# Altium PCB 调偏电路.PcbDoc
Units mil, origin at the board's own origin, x right, y up, seen from the top; angles counter-clockwise.
Board outline 1299.21 x 1181.1 mil, 2 copper layers (Top Layer, Bottom Layer); 22 components, 10 nets, 56 pads, 9 vias.
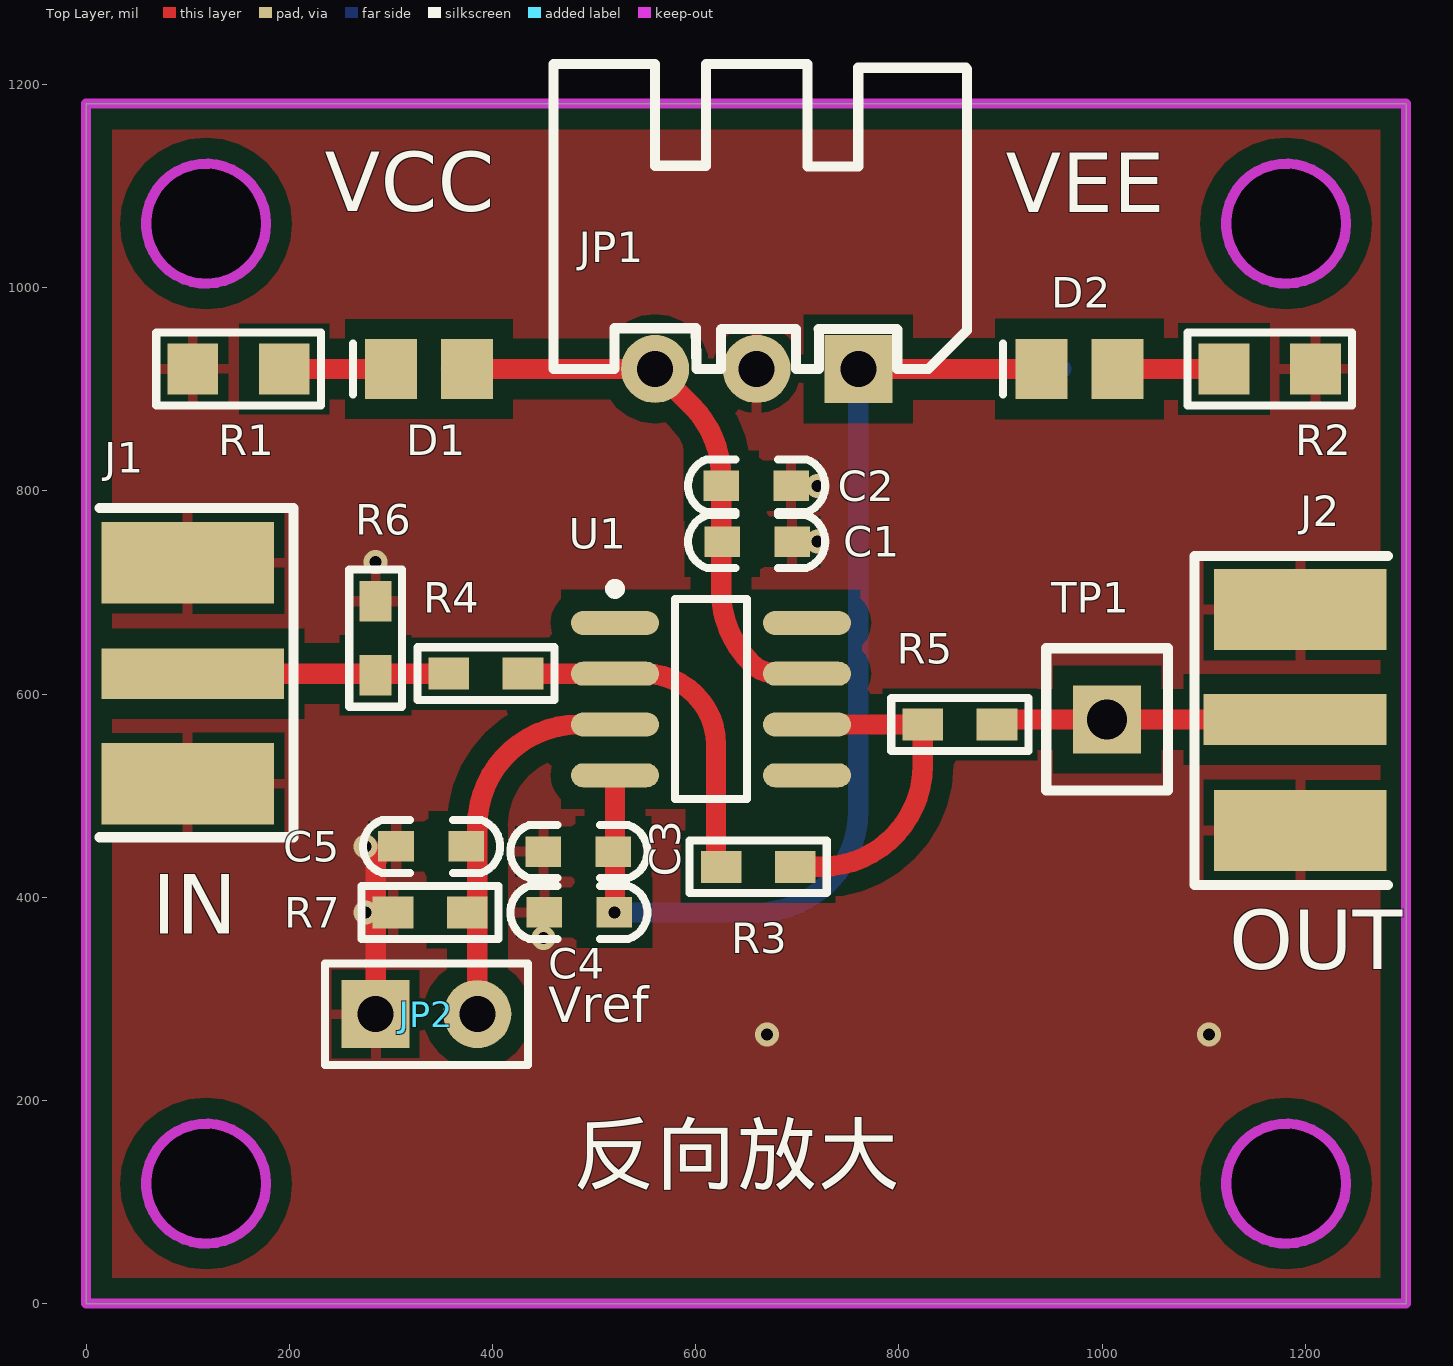
[diagram p0: Top Layer view]
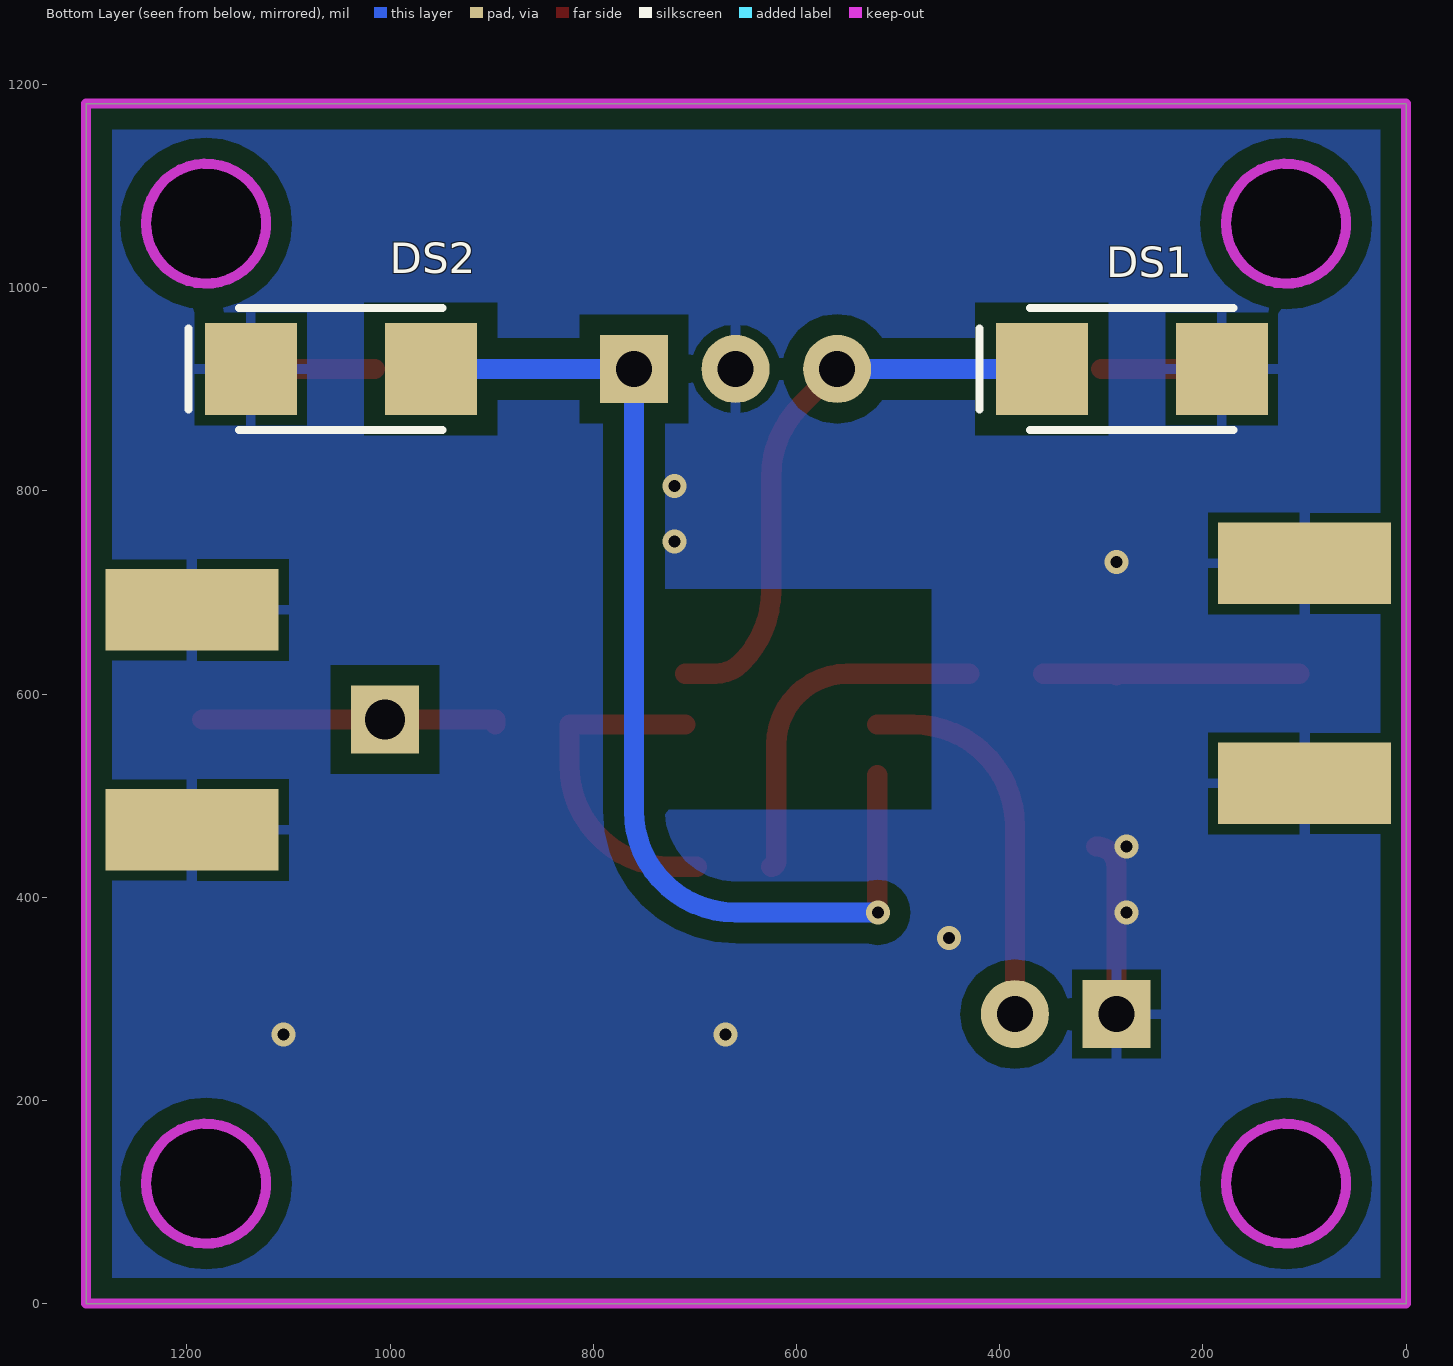
[diagram p1: Bottom Layer view, seen from below]

## Layer stack, top to bottom
Top Solder: solder mask 0.4, Solder Resist, Dk 3.5
Top Layer: signal copper 1.4
Dielectric 1: dielectric 12.6, FR-4, Dk 4.8
Bottom Layer: signal copper 1.4
Bottom Solder: solder mask 0.4, Solder Resist, Dk 3.5

## Board outline
0,0 1299.21,0 1299.21,1181.1 0,1181.1
cut-out: 1122.05,118.11 ccw(c1181.1,118.11) 1181.1,59.06 ccw(c1181.1,118.11) 1240.16,118.11 ccw(c1181.1,118.11) 1181.1,177.17 ccw(c1181.1,118.11)
cut-out: 1122.05,1062.99 ccw(c1181.1,1062.99) 1181.1,1003.94 ccw(c1181.1,1062.99) 1240.16,1062.99 ccw(c1181.1,1062.99) 1181.1,1122.05 ccw(c1181.1,1062.99)
cut-out: 118.11,1003.94 cw(c118.11,1062.99) 59.06,1062.99 cw(c118.11,1062.99) 118.11,1122.05 cw(c118.11,1062.99) 177.17,1062.99 cw(c118.11,1062.99)
cut-out: 118.11,59.06 cw(c118.11,118.11) 59.06,118.11 cw(c118.11,118.11) 118.11,177.17 cw(c118.11,118.11) 177.17,118.11 cw(c118.11,118.11)

## Design rules (kind name [scope] priority, off if disabled: settings)
Clearance [All] p1: gap=10 ignorepadtopadclearanceinfootprint=FALSE except(0: Arc-Hole Track-Hole SMDPad-Hole THPad-Hole Via-Hole Fill-Hole Poly-Hole Region-Hole Text-Hole; 20: Arc-Poly Track-Poly SMDPad-Poly THPad-Poly Via-Poly Fill-Poly Poly-Poly)
MinimumSolderMaskSliver [All] p1: minsoldermaskwidth=0
PlaneConnect [All] p1: planeconnectstyle=Direct reliefexpansion=20 reliefentries=4 reliefconductorwidth=10 reliefairgap=10
PolygonConnect [All] p1: thpad.connectstyle=Relief thpad.reliefconductorwidth=10 thpad.reliefentries=4 thpad.polygonreliefangle="90 Angle" thpad.airgapwidth=10 smdpad.connectstyle=Relief smdpad.reliefconductorwidth=10 smdpad.reliefentries=4 smdpad.polygonreliefangle="90 Angle" smdpad.airgapwidth=10 via.connectstyle=Direct via.reliefconductorwidth=10 via.reliefentries=4 via.polygonreliefangle="90 Angle" via.airgapwidth=10
RoutingVias [All] p1: holewidth=11.81 width=23.62 viastyle="Through Hole" minholewidth=11.81 minwidth=23.62 maxholewidth=28 maxwidth=70
SilkToSilkClearance [All] p1: silktosilkclearance=0
SilkToSolderMaskClearance [IsPad] p1: minsilkscreentomaskgap=0 clearancetoexposedcopper=TRUE
SolderMaskExpansion [All] p1: expansion=4
Width [All] p1: maxlimit=100 minlimit=1 preferedwidth=10
26 further rules are at their usual default settings.

## Components (designator, comment, footprint, x,y, rotation, side; value= is the part's Value field where it differs from the comment)
C1 "104" "C 0603" 660,750 r180 top
C2 "1uF" "C 0603" 660,805 r0 top
C3 "104" "C 0603" 485,445 r0 top
C4 "1uF" "C 0603" 485,385 r180 top
C5 "104" "C 0603" 340,450 r0 top
D1 "LED" LED_0805 337.6,920 r180 top
D2 "LED" LED_0805 977.6,920 r180 top
DS1 "D Schottky" DIODE-SMA 270,920 r0 bottom
DS2 "D Schottky" DIODE-SMA 1048.58,920 r0 bottom
J1 "COAX" MCX5.08-5-H 105,620 r0 top
J2 "COAX" MCX5.08-5-H 1190,575 r180 top
JP1 "HDR-1X3" XH2.54-3P_H 760,920 r180 top
JP2 "HDR-1X2" HDR-1X2 285,285 r0 top
R1 "1K" "R 0805" 150,920 r180 top
R2 "1K" "R 0805" 1165,920 r180 top
R3 "200" "R 0603" 661.5,430 r0 top
R4 "50" "R 0603" 393.5,620 r0 top
R5 "50" "R 0603" 860,570 r0 top
R6 "50" "R 0603" 285,655 r270 top
R7 "10K" "R 0603" 338.5,385 r0 top
TP1 "TEST TP" "TEST TP1.4_B" 1005,575 r270 top
U1 "OPA690" SOIC8_N 615,595 r0 top

## Footprints (in the part's own frame and the unit in brackets; to place one, negate y for a bottom-side part, rotate by r counter-clockwise, add the part's x,y. Pads: shape width x height; smd on the part's side, far side on the other; paste and mask are expansions set on the pad)
"C 0603" [mil] "无极性贴片电容"
  rect 35x30 smd: 1(-35,0) 2(34,0)
  silkscreen extent -67,-26 67,26, body extent -31,-16 31,16, height 32
DIODE-SMA [mm] "贴片二极管"
  rect 2.3x2.3 smd: 1(-2.25,0) 2(2.25,0)
  silkscreen extent -2.54,-1.52 3.81,1.52, body extent -2.92,-1.4 2.92,1.4, height 3
HDR-1X2 [mm] "排针，2脚"
  rect 1.7x1.7 hole 0.9: 1(0,0)
  round 1.7 hole 0.9: 2(2.54,0)
  silkscreen extent -1.27,-1.27 3.81,1.27, body extent -1.27,-1.27 3.81,1.27, height 8.5
LED_0805 [mm] "贴片二极管"
  rect 1.3x1.5 smd: 1(-0.95,0) 2(0.95,0)
  silkscreen extent 1.91,-0.63 1.91,0.64
MCX5.08-5-H [mil]
  rect 180x50 smd: 1(0,0)
  rect 170x80 smd: 2(-5,109.25) 5(-5,-108.27)
  rect 170x80 smd far side: 3(-5,108.66) 4(-5,-107.87)
  silkscreen extent -92,-161 99,163, body extent -93,-132 80,134, height 39
"R 0603" [mil] "1/10W贴片电阻"
  rect 40x31.5 smd: 1(-36.5,0) 2(36.5,0)
  silkscreen extent -68,-26 68,26, body extent -31,-16 32,16, height 16
"R 0805" [mil] "1/8W贴片电阻"
  rect 50x50 smd: 1(-45,0) 2(45,0)
  silkscreen extent -81,-36 81,36, body extent -39,-25 39,25, height 20
SOIC8_N [mm] "8-Pin Small Outline Integrated Circuit Package (SOIC8), IPC Medium Density"
  oval 2.2x0.6 smd: 1(-2.4,1.905) 2(-2.4,0.635) 3(-2.4,-0.635) 4(-2.4,-1.905) 5(2.4,-1.905) 6(2.4,-0.635) 7(2.4,0.635) 8(2.4,1.905)
  silkscreen extent -2.52,-2.5 0.9,2.88, body extent -1.95,-2.45 1.95,2.45, height 1.75
"TEST TP1.4_B" [mm] "蓝色，测试环"
  rect 1.7x1.7 hole 1: 1(0,0)
  silkscreen extent -1.78,-1.52 1.78,1.52, body extent -1.67,-1.4 1.67,1.4, height 5.41
XH2.54-3P_H [mm] "接插件，3P"
  rect 1.7x1.7 hole 0.9: 1(0,0)
  round 1.7 hole 0.9: 2(2.54,0) 3(5.08,0)
  silkscreen extent -2.72,-7.62 7.62,0, body extent -2.5,-7.35 7.58,0.35, height 5.73

## Part data
C1 C2 C3 C4 C5: library part C, "无极性贴片电容"
D1 D2: "发光二极管", LatestRevisionDate=08-Jul-2005, LatestRevisionNote="Mech Layer 1 removed.", PackageReference=LED, Published=8-Jun-2000, Publisher="Altium Limited"
DS1 DS2: "Schottky Diode", Code_JEDEC=DO-214-AA, LatestRevisionDate=17-Jul-2002, LatestRevisionNote="Re-released for DXP Platform.", PackageDescription="DO-214-AA/SMB; 2 C-Bend Leads; Body 5.3 x 3.6 mm, inc. leads (LxW)", PackageReference=SMB, Published=8-Jun-2000, Publisher="Altium Limited"
JP1: library part "Header 3", "3P接插件", BOM名称=3P接插件, 学习资源=www.ooocke.com, 版权归属=源创客
JP2: library part "Header 2", "2P接插件", BOM名称=2P接插件, 学习资源=www.ooocke.com, 版权归属=源创客
R1 R2 R3 R4 R5 R6 R7: library part R, "贴片电阻"
TP1: "测试环"
U1: library part OPA690ID, "具有禁用功能的宽带电压反馈运算放大器"

## Via types
v1: diameter 23.62, hole 11.81, Top Layer to Bottom Layer, tented both sides, 9 vias

## Nets (pads, with @x,y where several pads share a name; then routed paths per layer and width w, separated by ;. In a path a pad name is that pad's centre, name@x,y a point inside that pad or via, vN(x,y) a via of type N, cw(c..) or ccw(c..) an arc to the next point about the centre after c; other vN are vias at no path point)
GND: C1.1 C2.2 C3.1 C4.2 C5.1 DS1.1 DS2.2 J1.2 J1.3 J1.4 J1.5 J2.2 J2.3 J2.4 J2.5 JP1.2 JP2.1 R1.2 R2.1 R6.1 R7.1 | length 176.4
  Top Layer w20: JP2.1 285,430 cw(c305,430) C5.1
  other v1: 670,265 1105,265 450,360 275,385 275,450 285,730 720,750 720,805
NetC5_2: C5.2 JP2.2 R7.2 U1.3 | length 377.6
  Top Layer w20: JP2.2 385,470 cw(c485,470) 485,570 U1.3
NetD1_2: D1.2 R1.1 | length 105.2
  Top Layer w20: R1.1 D1.2
NetD2_1: D2.1 R2.2 | length 105
  Top Layer w20: D2.1 R2.2
NetJ1_1: J1.1 R4.1 R6.2 | length 251.4
  Top Layer w20: J1.1 R6.2@283.5,620 ; R6.2 cw(c286.5,618.5) 286.5,620 R4.1
NetJ2_1: J2.1 R5.2 TP1.1 | length 296.4
  Top Layer w20: R5.2 cw(c901.5,570) R5.2@901.5,575 ; R5.2@896.5,575 R5.2@901.5,575 ; J2.1@1185,575 1010,575 R5.2@901.5,575
NetR3_1: R3.1 R4.2 U1.2 | length 352.8
  Top Layer w20: R4.2 U1.2 550,620 cw(c550,550) 620,550 620,435 ccw(c625,435) R3.1
NetR3_2: R3.2 R5.1 U1.6 | length 336.6
  Top Layer w20: R3.2 723.5,430 ccw(c723.5,530) 823.5,530 R5.1 U1.6
VCC: C1.2 C2.1 D1.1 DS1.2 JP1.3 U1.7 | length 764.2
  Top Layer w20: D1.1 JP1.3 595.71,884.29 cw(c525,813.58) 625,813.58 C2.1 625,701.42 ccw(c725,701.42) 654.29,630.71 ccw(c680.15,656.57) 680.15,620 U1.7
  Bottom Layer w20: DS1.2 JP1.3
VEE: C3.2 C4.1 D2.2 DS2.1 JP1.1 U1.4 | length 1247.8
  Top Layer w20: v1(520,385) 520.51,385 U1.4 ; JP1.1 D2.2
  Bottom Layer w20: v1(520,385) 660,385 ccw(c660,485) 760,485 JP1.1 DS2.1
pads on no net: U1.1 U1.5 U1.8

## Polygon pours and split planes (outlines as drawn)
GND on Bottom Layer "Top Layer-No Net1" (solid, remove dead copper, pour order 17): 0,0 1299.21,0 1299.21,1181.1 0,1181.1
GND on Top Layer "Top Layer-No Net" (solid, remove dead copper, pour order 16): 0,0 1299.21,0 1299.21,1181.1 0,1181.1

## Keep-outs
Keep-Out Layer:
  circle w10: c118.11,118.11 r59.06
  circle w10: c1181.1,118.11 r59.06
  circle w10: c1181.1,1062.99 r59.06
  circle w10: c118.11,1062.99 r59.06
  lines w10: 0,0 0,1181.1 1299.21,1181.1 1299.21,0 0,0

## Other copper
Top Layer:
  pour cut-out: 467.36,703.27 762.64,703.27 762.64,486.73 467.36,486.73
Bottom Layer:
  pour cut-out: 467.36,703.27 762.64,703.27 762.64,486.73 467.36,486.73

## Silkscreen, mask and mechanical layers (free items; w line width, h text height)
Top Overlay:
  text "VCC" at 235,1056.11 h100
  text "VEE" at 905,1055 h100
  text "IN" at 65,345 h100
  text "OUT" at 1125,310 h100
  text "Vref" at 455,265 h60
  text "反向放大" at 480,100 h100
Mechanical 15:
  pour cut-out: 465,705